# KiCad board eeg_hardware_v1.kicad_pcb (continued)
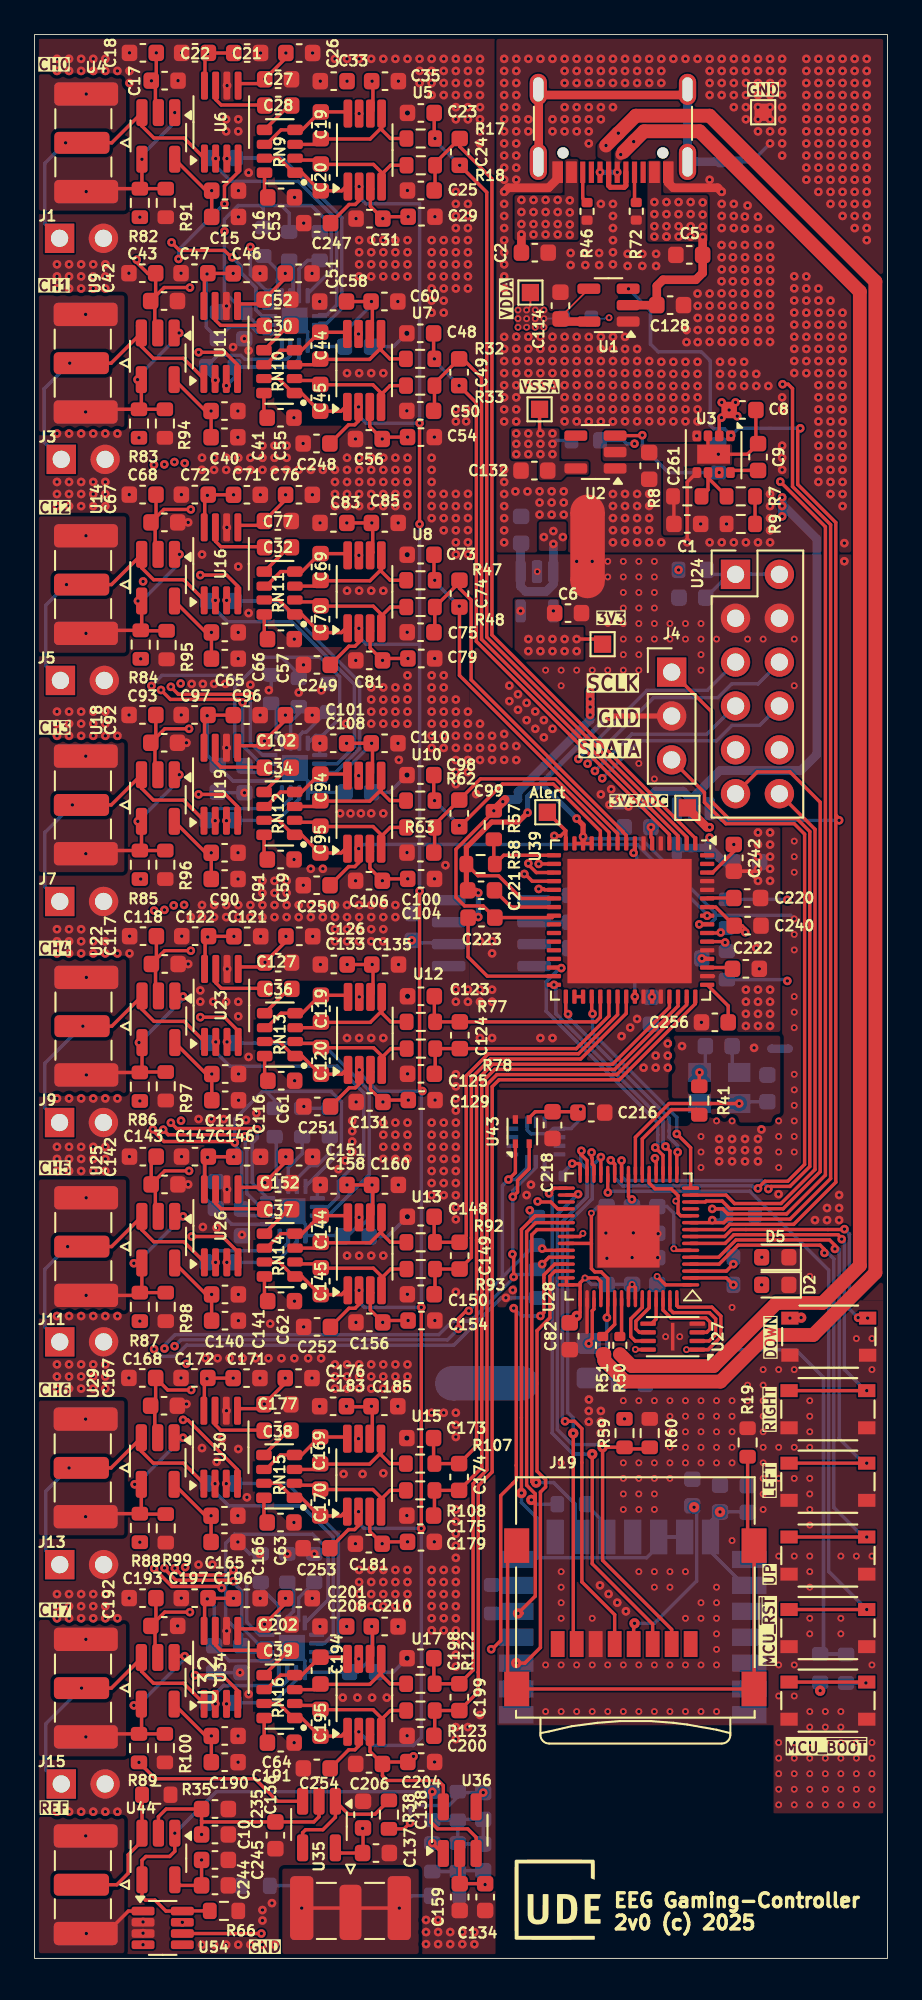
[diagram p0: board, top side]
## Routing (per net, layer and track width the routed paths; a pad name or vN(x,y) marks a point on that pad's centre or on a via; arc(x,y) is an arc through that point) (continued)
+3V3: length 284.9
  Top w0.2: U28.38 31.58,41.8 v2(31.76,41.98) ; v1(6.92,22.58) 6.92,22.57 7.96,21.54 10.75,21.54 v1(10.84,21.45) ; v2(34.8,35.26) 34.81,35.25 35.73,35.25 ; U28.44 U28.45 31.6,39 ; U39.24 29.97,60.27 C223.2 25.98,60.94 24.91,60.94 24.41,61.44 24.41,64.22 26.6,66.41 v2(26.6,66.45) 26.89,66.45 ; U28.20 35.6,44.9 35.94,44.56 36.88,44.56 37.27,44.17 37.27,43.84 ; J19.4 34.7,19.35 v4(34.75,19.4) ; U28.54 34.8,38.84 v2(34.61,39.03) 34.4,38.82 U28.53 ; 31.6,39 31.6,39.12 v2(31.88,39.4) 32.59,39.4 32.8,39.19 U28.49 ; 31.6,39 U28.46 31.6,37.4 v4(31.4,37.2) C82.2 ; 37.27,43.84 37.27,43.16 37.43,43 U28.11 ; 37.27,43.84 37.15,43.84 v2(37.14,43.85) ; U43.3 28.65,48.68 29,49.03 C218.1 31.42,49.03 C216.1 ; TP3.1 32.61,76.39 v1(31.4,76.39) ; v1(11.6,47.24) 11.54,47.3 7.5,47.3 6.85,47.95 v1(6.85,48.01) ; U28.1 36.55,39 v2(36.06,39.49) ; U28.30 31.6,45.95 31.53,46.02 v1(31.14,46.02)
  Top w0.5: 27.26,67.11 v1(27.12,66.98) v2(26.6,66.45) ; v2(32.18,72) v2(32.18,73.37)
  In1.Cu w0.2: v1(6.92,35.28) 7.1,35.45 7.1,47.7 7,47.8 7,47.8 6.85,47.95 v1(6.85,48.01) ; v1(11,100) 7.94,100 7.02,99.09 7.02,86.59 v1(6.92,86.48) ; v1(6.92,60.68) 7.03,60.78 7.03,72.39 6.8,72.63 6.8,73.65 v1(6.77,73.68)
  In2.Cu w0.2: v1(6.92,86.48) 6.9,86.46 ; v1(6.92,86.48) 6.92,85.96 7.04,85.83 7.04,73.8 6.89,73.65 6.8,73.65 v1(6.77,73.68) ; v1(6.92,86.48) 7,86.4 ; v1(6.92,35.28) 7.1,35.1 7.1,22.75 v1(6.92,22.58) ; v1(6.92,60.68) 7.1,60.5 7.1,48.27 6.85,48.02 v1(6.85,48.01)
  Bottom w0.2: 13.1,101.5 11.8,101.5 11,100.7 v1(11,100) 11,96.49 12.8,94.69 13.63,94.69 ; 13.1,101.5 13.25,101.35 R10.1 ; 13.1,101.5 14.3,101.5 ; 15.3,74.12 15.3,74.35 14.3,75.35 ; U21.14 39.15,25.3 v4(39.7,25.85) 41.28,25.85 C12.1 ; U21.14 39.18,24.37 ; U21.14 39.15,23.55 41.1,21.6 U21.16 ; R52.1 30.61,45.49 v1(31.14,46.02) ; 13.47,17.73 12.36,17.73 11.98,18.11 11.98,18.75 11.07,19.66 11.07,21.6 ; 11.07,21.6 11.07,24.04 11.59,24.56 16.11,24.56 17,23.67 17,20.77 15.66,19.42 ; 11.07,21.6 10.92,21.45 v1(10.84,21.45) ; C105.2 36.06,39.04 v2(36.06,39.49) ; U42.10 12.53,68.68 11.6,69.61 11.6,73.6 11.85,73.85 ; v1(31.62,49.18) 31.62,48.6 31.08,48.05 U37.8 30.04,48.05 29.74,47.75 28.75,47.75 28.54,47.96 U37.5 ; U42.16 16.28,70.81 16.68,70.81 17.68,71.8 17.68,74.2 16.52,75.35 14.3,75.35 ; U41.10 12.39,43.01 C231.1 12,43.41 12,46.68 11.6,47.08 11.6,48.6 13.2,50.2 13.4,50.2 ; 14.3,101.5 16.03,101.5 17.19,100.35 17.19,97.74 15.82,96.37 ; 14.3,101.5 14.75,101.05 R21.1 ; v4(45.5,15.5) R40.2 ; 11.85,73.85 13.35,75.35 14.3,75.35 ; 11.85,73.85 11.4,74.3 7.39,74.3 v1(6.77,73.68) ; v2(34.61,39.03) C88.2 32.25,39.03 v2(31.88,39.4) ; 29.12,43.04 29.1,43.02 R74.2 29.05,42.95 v1(28.68,43.32) ; 13.4,50.2 17.17,50.2 17.78,49.6 17.78,46.78 U41.16 ; 13.4,50.2 13.9,49.7 R29.1 ; v4(38.2,26.12) 38.35,25.97 38.35,21.85 35.9,19.4 v4(34.75,19.4) ; v1(43.6,56.6) 43.53,56.68 40.1,56.68 40.16,56.68 ; R16.1 43.58,61.33 v1(43.6,61.3) ; 29.3,38.25 28.59,38.25 28.59,38.25 v1(27.3,38.25) 27.03,38.25 24.29,35.51 8.81,35.51 8.16,34.86 7.34,34.86 7.08,35.13
  Bottom w0.5: v2(32.18,73.37) v2(32.18,72.92) v2(32.18,72.46) v2(32.18,72) 32.18,71.72 28,67.54 28,67.11 27.26,67.11 v2(26.6,66.45)
  vias: v1(27.7,38.7) v1(28.15,78.03) v1(28.6,76.39) v1(28.6,75.69) v1(29.3,76.39) v1(29.3,75.69) v1(30.05,78.03) v1(30,76.39) v1(30,75.69) v1(30.7,76.39) v1(30.7,75.69) v1(31.4,75.69) v1(37.3,80.4) v4(34.17,31.24)
/MCU/GND_QRZ: length 2.7
  Bottom w0.2: Y1.4 40.4,51.71 C111.2 ; Y1.4 40.31,51.3 ; Y1.4 41.17,50.94
  vias: v1(37.5,52.83) v1(41.67,52.73)
/Power/VSS_UNBUF: length 8.2
  Top w0.2: U3.3 39,87.42 U3.9 v1(39.61,87.1) 41.29,87.1 C9.2 41.78,87.84 C8.2 ; R8.2 37.03,84.61 C1.2 37.02,83.05
  Bottom w0.2: v1(39.61,87.1) 39.61,87.69
GND: length 14.3
  Top w0.2: v1(37.8,82) 37.8,85.48 U3.5
  Top w0.5: J6.A1 36.7,102.82 36.99,102.53 39.56,102.53 v1(39.8,102.29) ; J6.A12 30.3,103.06 29.77,102.53 27.44,102.53 v1(27.2,102.29)
  Bottom w0.2: v1(42.6,105.09) 41.53,104.03 R49.2
  vias: v1(27.2,109.99) v1(27.2,109.29) v1(27.2,108.59) v1(27.2,107.89) v1(27.2,107.19) v1(27.2,106.49) v1(27.2,105.79) v1(27.2,105.09) v1(27.2,104.39) v1(27.2,103.69) v1(27.2,102.99) v1(27.2,101.59) v1(27.2,100.89) v1(27.2,100.19) v1(27.2,99.49) v1(27.2,98.79) v1(27.2,98.09) v1(27.2,97.39) v1(27.2,96.69) v1(27.2,93.89) v1(27.2,93.19) v1(27.2,92.49) v1(27.2,91.79) v1(27.2,91.09) v1(27.2,90.39) v1(27.2,89.69) v1(27.2,88.99) v1(27.2,86.2) v1(27.2,85.49) v1(27.2,84.79) v1(27.2,84.09) v1(27.2,83.39) v1(27.2,82.69) v1(27.2,81.99) v1(27.85,84.94) v1(27.9,109.99) v1(27.9,109.29) v1(27.9,108.59) v1(27.9,107.89) v1(27.9,107.19) v1(27.9,106.49) v1(27.9,105.79) v1(27.9,105.09) v1(27.9,104.39) v1(27.9,103.69) v1(27.9,102.99) v1(27.9,93.9) v1(27.9,93.2) v1(27.9,92.49) v1(27.9,91.79) v1(27.9,91.09) v1(27.9,90.39) v1(27.9,89.69) v1(27.9,88.99) v1(28.55,84.94) v1(28.6,109.99) v1(28.6,106.49) v1(28.6,105.79) v1(28.6,93.9) v1(28.6,93.2) v1(28.6,92.49) v1(28.6,91.79) v1(28.6,91.09) v1(29.25,84.95) v1(29.25,84.3) v1(29.25,83.6) v1(29.3,109.99) v1(29.3,93.9) v1(29.3,93.2) v1(29.3,92.49) v1(29.3,91.79) v1(29.3,91.09) v1(30,109.99) v1(30,106.49) v1(30,105.79) v1(30,93.9) v1(30,93.2) v1(30,92.49) v1(30,91.79) v1(30,91.09) v1(29.95,84.95) v1(29.95,84.3) v1(29.95,83.6) v1(30.7,109.99) v1(30.7,109.29) v1(30.7,108.59) v1(30.7,107.19) v1(30.7,106.49) v1(30.7,105.79) v1(30.7,93.9) v1(30.7,93.2) v1(30.7,92.49) v1(30.7,91.79) v1(30.7,91.09) v1(30.7,90.4) v1(30.7,89.7) v1(30.7,89) v1(30.65,84.95) v1(30.65,84.3) v1(30.65,83.6) v1(31.05,98.75) v1(31.05,98.05) v1(31.4,109.99) v1(31.4,109.29) v1(31.4,108.59) v1(31.4,107.19) v1(31.4,106.49) v1(31.4,105.79) v1(31.4,93.89) v1(31.4,93.19) v1(31.4,92.49) v1(31.4,91.79) v1(31.4,91.09) v1(31.4,90.4) v1(31.4,89.7) v1(31.4,89) v1(31.9,98.75) v1(31.9,98.05) v1(32.1,109.99) v1(32.1,109.29) v1(32.1,108.59) v1(32.1,107.19) v1(32.1,106.49) v1(32.1,105.79) v1(32.1,105.09) v1(32.1,93.89) v1(32.1,93.19) v1(32.1,92.49) v1(32.1,91.79) v1(32.1,91.09) v1(32.1,90.39) v1(32.1,89.69) v1(32.1,88.99) v1(32.7,98.75) v1(32.7,98.05) v1(32.8,109.99) v1(32.8,109.29) v1(32.8,108.59) v1(32.8,107.19) v1(32.8,106.49) v1(32.8,101.59) v1(32.8,93.89) v1(32.8,93.19) v1(32.8,92.49) v1(32.8,91.79) v1(32.8,91.09) v1(32.8,90.39) v1(32.8,89.69) v1(32.8,88.99) v1(33.5,109.99) v1(33.5,109.29) v1(33.5,108.59) v1(33.5,107.19) v1(33.5,101.59) v1(33.5,100.89) v1(33.5,100.19) v1(33.5,99.49) v1(33.5,98.79) v1(33.5,98.09) v1(33.5,93.89) v1(33.5,93.19) v1(33.5,92.49) v1(33.5,91.79) v1(33.5,91.09) v1(33.5,90.39) v1(33.5,89.69) v1(33.5,88.99) v1(33.5,84.79) v1(33.5,84.1) v1(33.5,83.4) v1(33.5,82.7) v1(33.5,81.99) v1(34.2,109.99) v1(34.2,109.29) v1(34.2,108.59) v1(34.2,93.89) v1(34.2,93.19) v1(34.2,92.49) v1(34.2,91.79) v1(34.2,91.09) v1(34.2,90.39) v1(34.2,89.69) v1(34.2,89) v1(34.2,84.8) v1(34.2,84.1) v1(34.2,83.4) v1(34.2,82.7) v1(34.2,81.99) v1(34.35,98.7) v1(34.35,98) v1(34.9,109.99) v1(34.9,109.29) v1(34.9,108.59) v1(34.9,93.19) v1(34.9,92.49) v1(34.9,91.79) v1(34.9,91.09) v1(34.9,90.39) v1(34.9,89.69) v1(34.9,89) v1(34.9,84.8) v1(34.9,84.1) v1(34.9,83.4) v1(34.9,82.7) v1(34.9,81.99) v1(35.2,98.7) v1(35.2,98) v1(35.6,109.99) v1(35.6,109.29) v1(35.6,108.59) v1(35.6,92.49) v1(35.6,91.79) v1(35.6,91.09) v1(35.6,90.39) v1(35.6,89.69) v1(35.6,89) v1(35.6,84.8) v1(35.6,84.1) v1(35.6,83.4) v1(35.6,82.7) v1(35.6,81.99) v1(36,98.7) v1(36,98) v1(36.3,109.99) v1(36.3,109.29) v1(36.3,108.59) v1(36.3,92.45) v1(36.3,91.75) v1(36.3,91.05) v1(36.3,90.39) v1(36.3,89.69) v1(36.3,89) v1(36.3,81.99) v1(37,109.99) v1(37,92.45) v1(37,91.75) v1(37,91.05) v1(37,90.39) v1(37,89.69) v1(37,89) v1(37.7,109.99) v1(37.7,92.45) v1(37.7,91.75) v1(37.7,91.05) v1(37.7,90.39) v1(37.7,89.69) v1(37.7,89) v1(37.76,94.29) v1(37.76,93.59) v1(38.4,109.99) v1(38.4,96.4) v1(38.41,95.69) v1(38.41,94.99) v1(38.41,94.29) v1(38.41,93.59) v1(38.4,92.45) v1(38.4,91.75) v1(38.4,91.05) v1(38.4,90.39) v1(38.4,89.69) v1(38.4,89) v1(38.36,88.16) v1(38.58,83.06) v1(39.1,109.99) v1(39.1,109.29) v1(39.1,108.59) v1(39.1,107.89) v1(39.1,102.99) v1(39.1,96.4) v1(39.1,95.7) v1(39.1,95) v1(39.1,94.3) v1(39.1,93.6) v1(39.1,81.99) v1(39.7,92.45) v1(39.7,91.75) v1(39.7,91.05) v1(39.8,109.99) v1(39.8,109.29) v1(39.8,108.59) v1(39.8,107.89) v1(39.8,101.59) v1(39.8,100.89) v1(39.8,100.19) v1(39.79,99.21) v1(39.8,98.5) v1(39.8,97.8) v1(39.79,97.11) v1(39.79,96.41) v1(39.8,95.7) v1(39.8,95) v1(39.8,94.3) v1(39.8,93.6) v1(39.8,81.99) v1(40.08,83.06) v1(40.44,99.21) v1(40.44,97.11) v1(40.44,96.41) v1(40.4,92.45) v1(40.4,91.75) v1(40.4,91.05) v1(40.5,109.99) v1(40.5,109.29) v1(40.5,108.59) v1(40.5,107.89) v1(40.5,107.19) v1(40.5,101.59) v1(40.5,100.89) v1(40.5,100.19) v1(40.45,98.5) v1(40.45,97.8) v1(40.45,95.7) v1(40.45,95) v1(40.45,94.3) v1(40.45,93.6) v1(40.5,81.99) v1(41.14,100.86) v1(41.14,100.16) v1(41.14,99.21) v1(41.14,97.11) v1(41.14,96.41) v1(41.14,95.71) v1(41.14,95.01) v1(41.14,94.31) v1(41.14,93.61) v1(41.1,92.45) v1(41.1,91.75) v1(41.1,91.05) v1(41.2,109.99) v1(41.2,109.29) v1(41.2,108.59) v1(41.2,107.89) v1(41.2,107.19) v1(41.2,106.49) v1(41.15,98.5) v1(41.15,97.8) v1(41.2,81.99) v1(41.3,101.5) v1(41.8,91.75) v1(41.8,91.05) v1(41.9,109.99) v1(41.9,109.29) v1(41.9,108.59) v1(41.9,107.89) v1(41.9,107.19) v1(41.9,106.49) v1(41.9,105.79) v1(41.9,100.85) v1(41.9,100.15) v1(41.9,99.2) v1(41.91,98.49) v1(41.91,97.79) v1(41.9,97.1) v1(41.9,96.4) v1(41.9,95.7) v1(41.9,95) v1(41.9,94.3) v1(41.9,93.6) v1(41.9,81.99) v1(42.5,91.05) v1(42.6,109.99) v1(42.6,109.29) v1(42.6,108.59) v1(42.6,107.89) v1(42.6,107.19) v1(42.6,106.49) v1(42.6,105.79) v1(42.6,100.15) v1(42.6,99.2) v1(42.61,98.49) v1(42.61,97.79) v1(42.6,97.1) v1(42.6,96.4) v1(42.6,95.7) v1(42.6,95) v1(42.6,94.3) v1(42.6,93.6) v1(42.6,84.79) v1(42.6,84.09) v1(42.6,83.39) v1(42.6,82.69) v1(42.6,81.99) v1(43.3,109.99) v1(43.3,109.29) v1(43.3,108.59) v1(43.3,107.89) v1(43.3,107.19) v1(43.3,106.49) v1(43.3,105.79) v1(43.3,105.09) v1(43.3,104.39) v1(43.3,90.39) v1(43.3,89.69) v1(43.3,87.59) v1(43.3,86.89) v1(43.3,86.19) v1(44,97.4) v1(44,96.7) v1(44,96) v1(44,95.3) v1(44,94.6) v1(44,93.9) v1(44,93.2) v1(44,92.5) v1(44,91.8) v1(44.7,109.99) v1(44.7,109.29) v1(44.7,108.59) v1(44.7,107.89) v1(44.7,107.19) v1(44.7,106.49) v1(44.7,105.79) v1(44.7,105.09) v1(44.7,104.39) v1(44.7,103.69) v1(44.7,102.99) v1(44.7,97.39) v1(44.7,96.69) v1(44.7,95.99) v1(44.7,95.29) v1(44.7,94.59) v1(44.7,93.89) v1(44.7,93.19) v1(44.7,92.49) v1(44.7,91.79) v1(45.4,109.99) v1(45.4,109.29) v1(45.4,108.59) v1(45.4,107.89) v1(45.4,107.19) v1(45.4,106.49) v1(45.4,105.79) v1(45.4,105.09) v1(45.4,104.39) v1(45.4,103.69) v1(45.4,102.99) v1(45.4,102.29) v1(45.4,96.69) v1(45.4,95.99) v1(45.4,95.29) v1(45.4,94.59) v1(45.4,93.89) v1(45.4,93.19) v1(45.4,92.49) v1(45.4,91.79) v1(45.4,91.09) v1(45.4,90.39) v1(45.4,89.69) v1(45.4,88.99) v1(45.4,88.29) v1(45.4,87.59) v1(45.4,86.89) v1(45.4,86.19) v1(45.4,85.49) v1(46.1,109.99) v1(46.1,109.29) v1(46.1,108.59) v1(46.1,107.89) v1(46.1,107.19) v1(46.1,106.49) v1(46.1,105.79) v1(46.1,105.09) v1(46.1,104.39) v1(46.1,103.69) v1(46.1,102.99) v1(46.1,102.29) v1(46.1,101.59) v1(46.1,95.99) v1(46.1,95.29) v1(46.1,94.59) v1(46.1,93.89) v1(46.1,93.19) v1(46.1,92.49) v1(46.1,91.79) v1(46.1,91.09) v1(46.1,90.39) v1(46.1,89.69) v1(46.1,88.99) v1(46.1,88.29) v1(46.1,87.59) v1(46.1,86.89) v1(46.1,86.19) v1(46.1,85.49) v1(46.1,84.79) v1(46.8,109.99) v1(46.8,109.29) v1(46.8,108.59) v1(46.8,107.89) v1(46.8,107.19) v1(46.8,106.49) v1(46.8,105.79) v1(46.8,105.09) v1(46.8,104.39) v1(46.8,103.69) v1(46.8,102.99) v1(46.8,102.29) v1(46.8,101.59) v1(46.8,100.89) v1(46.8,95.29) v1(46.8,94.59) v1(46.8,93.89) v1(46.8,93.19) v1(46.8,92.49) v1(46.8,91.79) v1(46.8,91.09) v1(46.8,90.39) v1(46.8,89.69) v1(46.8,88.99) v1(46.8,88.29) v1(46.8,87.59) v1(46.8,86.89) v1(46.8,86.19) v1(46.8,85.49) v1(46.8,84.79) v1(46.8,84.09) v1(46.9,81.95) v1(47.5,109.99) v1(47.5,109.29) v1(47.5,108.59) v1(47.5,107.89) v1(47.5,107.19) v1(47.5,106.49) v1(47.5,105.79) v1(47.5,105.09) v1(47.5,104.39) v1(47.5,103.69) v1(47.5,102.99) v1(47.5,102.29) v1(47.5,101.59) v1(47.5,100.89) v1(47.5,100.19) v1(48.2,109.99) v1(48.2,109.29) v1(48.2,108.59) v1(48.2,107.89) v1(48.2,107.19) v1(48.2,106.49) v1(48.2,105.79) v1(48.2,105.09) v1(48.2,104.39) v1(48.2,103.69) v1(48.2,102.99) v1(48.2,102.29) v1(48.2,101.59) v1(48.2,100.89) v1(48.2,100.19) v1(48.2,99.49)
GNDA: length 29.6
  Top w0.2: 15.56,23.75 15.88,23.43 v1(16.2,23.43) ; C167.2 8.38,32.1 v1(8.8,32.1) ; v1(41.9,63.09) 41.76,62.95 C242.1 41.34,62.95 v1(41.9,62.39) ; v1(8.9,83.15) C67.2 ; v1(8.8,70.39) 8.28,70.39 ; v1(8.9,57.58) C117.2 ; v1(8.9,44.82) C142.2 ; U39.50 39.33,56.88
  Bottom w0.2: v3(21.56,94.1) 20.79,93.33 C229.1 ; 12.2,67.46 v1(12.16,67.5) 10.63,67.5 C233.2 ; v3(21.58,17.38) 20.77,16.58 C215.1 ; v1(16.61,73.43) 17,73.81 R28.1 ; C231.2 v1(12.01,41.9) 12.01,42.19 ; 12.25,16.29 C227.2 11.98,16.55 v1(11.9,16.55) C226.2 ; v1(16.53,70.36) 16.52,70.35 U42.1 ; C230.2 10.7,44.98 v1(11.15,44.53) ; U41.1 16.38,44.62 v1(16.55,44.79) ; 13.12,20.83 13.12,20.81 ; C228.1 20.45,41.8 v3(21.59,42.95) ; 15.55,11.15 15.57,11.12 ; U38.1 16.5,95.93 v1(16.52,95.94) 16.52,95.7 16.5,95.69 ; v1(13.57,73.44) 13.7,73.56 13.7,74.33 ; v1(11.78,24.11) 12.46,23.43 v1(13.05,23.43) R11.1 ; v3(21.57,68.52) 20.57,67.52 C232.1 ; R34.1 R30.1 ; 16.34,18.73 16.34,19.03 v1(16.53,19.22) ; 10.62,95.34 10.77,95.34 v1(11.12,95.68)
  vias: v1(1.3,109.99) v1(1.3,109.29) v1(1.3,98.09) v1(1.3,97.39) v1(1.3,96.69) v1(1.3,88.29) v1(1.3,85.49) v1(1.3,84.79) v1(1.3,84.09) v1(1.3,72.19) v1(1.3,71.49) v1(1.3,70.79) v1(1.3,59.59) v1(1.3,58.89) v1(1.3,58.19) v1(1.3,49.79) v1(1.3,46.99) v1(1.3,46.29) v1(1.3,45.59) v1(1.3,37.19) v1(1.3,34.39) v1(1.3,33.69) v1(1.3,32.99) v1(1.3,21.09) v1(1.3,20.39) v1(1.3,19.69) v1(1.3,8.49) v1(2,109.99) v1(2,109.29) v1(2,98.09) v1(2,97.39) v1(2,96.69) v1(2,88.29) v1(2,85.49) v1(2,84.79) v1(2,84.09) v1(2,72.19) v1(2,71.49) v1(2,70.79) v1(2,59.59) v1(2,58.89) v1(2,58.19) v1(2,49.79) v1(2,46.99) v1(2,46.29) v1(2,45.59) v1(2,37.19) v1(2,34.39) v1(2,33.69) v1(2,32.99) v1(2,21.09) v1(2,20.39) v1(2,19.69) v1(2,8.49) v1(2.7,109.99) v1(2.7,109.29) v1(2.7,98.09) v1(2.7,97.39) v1(2.7,96.69) v1(2.7,88.29) v1(2.7,85.49) v1(2.7,84.79) v1(2.7,84.09) v1(2.7,72.19) v1(2.7,71.49) v1(2.7,70.79) v1(2.7,59.59) v1(2.7,58.89) v1(2.7,58.19) v1(2.7,49.79) v1(2.7,46.99) v1(2.7,46.29) v1(2.7,45.59) v1(2.7,37.19) v1(2.7,34.39) v1(2.7,33.69) v1(2.7,32.99) v1(2.7,21.09) v1(2.7,20.39) v1(2.7,19.69) v1(2.7,8.49) v1(3.4,109.99) v1(3.4,109.29) v1(3.4,98.09) v1(3.4,97.39) v1(3.4,96.69) v1(3.4,88.29) v1(3.4,85.49) v1(3.4,84.79) v1(3.4,84.09) v1(3.4,72.19) v1(3.4,71.49) v1(3.4,70.79) v1(3.4,58.89) v1(3.4,58.19) v1(3.4,49.79) v1(3.4,46.99) v1(3.4,46.29) v1(3.4,45.59) v1(3.4,37.19) v1(3.4,34.39) v1(3.4,33.69) v1(3.4,32.99) v1(3.4,21.09) v1(3.4,20.39) v1(3.4,19.69) v1(3.4,8.49) v1(4.1,109.99) v1(4.1,109.29) v1(4.1,98.09) v1(4.1,97.39) v1(4.1,96.69) v1(4.1,88.29) v1(4.1,85.49) v1(4.1,84.79) v1(4.1,84.09) v1(4.1,72.19) v1(4.1,71.49) v1(4.1,70.79) v1(4.1,58.89) v1(4.1,58.19) v1(4.1,49.79) v1(4.1,46.99) v1(4.1,46.29) v1(4.1,45.59) v1(4.1,37.19) v1(4.1,34.39) v1(4.1,33.69) v1(4.1,32.99) v1(4.1,21.09) v1(4.1,20.39) v1(4.1,19.69) v1(4.1,8.49) v1(4.8,109.29) v1(4.8,88.29) v1(4.8,70.79) v1(4.8,58.19) v1(4.8,49.79) v1(4.8,37.19) v1(4.8,19.69) v1(4.8,8.49) v1(5.5,110.34) v1(5.5,109.29) v1(5.5,108.59) v1(5.47,97.58) v1(5.49,84.76) v1(5.48,72) v1(5.51,59.19) v1(5.5,58.19) v1(5.5,46.43) v1(5.47,33.61) v1(5.48,20.86) v1(6.28,2.11) v1(6.28,1.46) v1(8.31,108.73) v1(8.29,19.25) v1(8.52,110.34) v1(8.49,97.58) v1(8.51,84.76) v1(8.5,72) v1(8.53,59.19) v1(8.52,46.43) v1(8.48,33.61) v1(8.5,20.86) v1(9.05,60.3) v1(9.1,73.8) v1(9.5,48.6) v1(9.5,22.8) v1(9.6,56.05) v1(9.6,55.4) v1(9.7,86.89) v1(9.7,86.19) v1(9.7,81.29) v1(9.7,60.99) v1(9.7,60.29) v1(9.7,29.55) v1(9.7,0.79) v1(9.75,73.8) v1(9.75,42.35) v1(9.9,34.75) v1(10.25,48.6) v1(10.35,55.4) v1(10.3,22.8) v1(10.4,86.89) v1(10.4,86.19) v1(10.4,73.8) v1(10.4,60.99) v1(10.4,60.29) v1(10.4,0.79) v1(10.55,42.3) v1(10.55,28.75) v1(10.6,34.75) v1(10.85,30.1) v1(11.05,73.8) v1(10.95,48.6) v1(11.1,106.49) v1(11.1,105.79) v1(11.1,86.89) v1(11.1,86.19) v1(11.14,82.86) v1(11.12,70.1) v1(11.1,60.99) v1(11.1,60.29) v1(11.1,55.39) v1(11.11,31.71) v1(11.13,18.96) v1(11.1,0.79) v1(11.15,108.44) v1(11.16,57.29) v1(11.3,34.75) v1(11.5,93.3) v1(11.8,106.49) v1(11.8,105.79) v1(11.81,102.36) v1(11.81,100.84) v1(11.78,89.6) v1(11.78,88.08) v1(11.8,86.89) v1(11.8,86.19) v1(11.8,80.59) v1(11.8,76.78) v1(11.8,75.26) v1(11.78,64.02) v1(11.78,62.5) v1(11.8,60.99) v1(11.8,60.29) v1(11.8,55.39) v1(11.8,54.55) v1(11.82,51.21) v1(11.82,49.69) v1(11.81,38.45) v1(11.81,36.93) v1(11.8,29.49) v1(11.78,25.63) v1(11.79,12.88) v1(11.79,11.36) v1(11.8,0.79) v1(12.05,34.75) v1(12.15,93.78) v1(12.25,48.55) v1(12.3,26.7) v1(12.4,103.4) v1(12.4,93.1) v1(12.4,77.9) v1(12.4,52.2) v1(12.4,15.3) v1(12.5,86.89) v1(12.5,86.19) v1(12.5,73.75) v1(12.5,60.99) v1(12.5,60.29) v1(12.5,0.79) v1(12.85,48.95) v1(12.8,34.75) v1(13.09,110.33) v1(13.06,97.57) v1(13.08,84.75) v1(13.06,71.99) v1(13.1,59.18) v1(13.09,46.42) v1(13.06,33.6) v1(13.07,20.85) v1(13.2,87.59) v1(13.2,86.89) v1(13.2,86.19) v1(13.2,62.39) v1(13.2,61.69) v1(13.2,60.99) v1(13.2,60.29) v1(13.2,2.8) v1(13.2,2.19) v1(13.2,0.79) v1(13.55,34.75) v1(13.65,36.75) v1(13.75,3.2) v1(13.9,87.59) v1(13.9,86.89) v1(13.9,86.19) v1(13.9,62.39) v1(13.9,61.69) v1(13.9,60.99) v1(13.9,60.29) v1(13.9,0.79) v1(14.3,34.75) v1(14.6,87.59) v1(14.6,86.89) v1(14.6,86.19) v1(14.6,62.39) v1(14.6,61.69) v1(14.6,60.99) v1(14.6,60.29) v1(14.64,23.43) v1(15.02,89.21) v1(15.04,76.39) v1(15.03,63.63) v1(15.05,34.75) v1(15.02,25.24) v1(15.04,12.49) v1(15.06,101.97) v1(15.06,50.82) v1(15.05,38.06) v1(15.3,86.19) v1(15.3,73.3) v1(15.3,60.99) v1(15.3,60.29) v1(15.59,100.48) v1(15.56,87.72) v1(15.58,74.9) v1(15.56,62.14) v1(15.6,49.33) v1(15.59,36.57) v1(15.85,34.75) v1(16,86.19) v1(16,63.09) v1(16,60.99) v1(16,60.29) v1(16.11,110.33) v1(16.07,97.57) v1(16.09,84.75) v1(16.08,71.99) v1(16.11,59.18) v1(16.1,46.42) v1(16.07,33.6) v1(16.08,20.85) v1(16.55,108.7) v1(16.54,83.12) v1(16.52,31.97) v1(16.56,57.55) v1(16.6,34.75) v1(16.7,86.19) v1(16.7,63.09) v1(16.7,60.99) v1(16.7,60.29) v1(17.4,109.99) v1(17.4,86.19) v1(17.4,85.49) v1(17.4,84.79) v1(17.4,84.09) v1(17.4,60.99) v1(17.4,60.29) v1(17.4,59.59) v1(17.4,58.89) v1(17.4,34.39) v1(17.4,33.69) v1(17.4,32.99) v1(17.6,45.7) v1(17.7,66.3) v1(17.85,15.1) v1(17.9,28.05) v1(18.05,71.5) v1(18,46.2) v1(18.1,109.99) v1(18.1,91.79) v1(18.1,86.89) v1(18.1,86.19) v1(18.1,85.49) v1(18.1,84.79) v1(18.1,84.09) v1(18.1,79.19) v1(18.1,60.99) v1(18.1,60.29) v1(18.1,59.59) v1(18.1,58.89) v1(18.1,53.29) v1(18.1,40.69) v1(18.1,34.39) v1(18.1,33.69) v1(18.1,32.99) v1(18.3,66.3) v1(18.4,48.5) v1(18.4,47.9) v1(18.4,47.3) v1(18.4,46.7) v1(18.62,100.74) v1(18.59,87.98) v1(18.61,75.16) v1(18.59,62.4) v1(18.63,49.59) v1(18.62,36.83) v1(18.58,24.01) v1(18.7,15.1) v1(18.8,109.99) v1(18.8,99.49) v1(18.8,98.79) v1(18.8,98.09) v1(18.8,97.39) v1(18.8,91.79) v1(18.8,86.89) v1(18.8,86.19) v1(18.8,85.49) v1(18.8,84.79) v1(18.8,84.09) v1(18.8,79.19) v1(18.8,60.99) v1(18.8,60.29) v1(18.8,59.59) v1(18.8,58.89) v1(18.8,53.29) v1(18.8,40.69) v1(18.8,34.39) v1(18.8,33.69) v1(18.8,32.99) v1(18.8,22.49) v1(18.8,21.79) v1(18.8,21.09) v1(18.8,20.39) v1(18.9,66.3) v1(19,28.05) v1(19.5,109.99) v1(19.5,99.49) v1(19.5,98.79) v1(19.5,98.09) v1(19.5,97.39) v1(19.5,91.79) v1(19.5,86.89) v1(19.5,86.19) v1(19.5,85.49) v1(19.5,84.79) v1(19.5,84.09) v1(19.5,79.19) v1(19.5,73.59) v1(19.5,72.89) v1(19.5,72.19) v1(19.5,71.49) v1(19.5,66.3) v1(19.5,60.99) v1(19.5,60.29) v1(19.5,59.59) v1(19.5,58.89) v1(19.5,53.29) v1(19.5,40.69) v1(19.5,34.39) v1(19.5,33.69) v1(19.5,32.99) v1(19.5,22.49) v1(19.5,21.79) v1(19.5,21.09) v1(19.5,20.39) v1(19.55,15.1) v1(20.2,109.99) v1(20.2,99.49) v1(20.2,98.79) v1(20.2,98.09) v1(20.2,97.39) v1(20.2,91.79) v1(20.2,86.89) v1(20.2,86.19) v1(20.2,85.49) v1(20.2,84.79) v1(20.2,84.09) v1(20.2,79.19) v1(20.2,73.59) v1(20.2,72.89) v1(20.2,72.19) v1(20.2,71.49) v1(20.2,66.3) v1(20.2,60.99) v1(20.2,60.29) v1(20.2,59.59) v1(20.2,58.89) v1(20.2,53.29) v1(20.2,48.39) v1(20.2,47.69) v1(20.2,46.99) v1(20.2,46.29) v1(20.2,40.69) v1(20.2,34.39) v1(20.2,33.69) v1(20.2,32.99) v1(20.2,28.09) v1(20.2,22.49) v1(20.2,21.79) v1(20.2,21.09) v1(20.2,20.39) v1(20.4,15.1) v1(20.9,109.99) v1(20.9,99.49) v1(20.9,98.79) v1(20.9,98.09) v1(20.9,97.39) v1(20.9,86.89) v1(20.9,86.19) v1(20.9,85.49) v1(20.9,84.79) v1(20.9,84.09) v1(20.9,73.59) v1(20.9,72.89) v1(20.9,72.19) v1(20.9,71.49) v1(20.9,60.99) v1(20.9,60.29) v1(20.9,48.39) v1(20.9,47.69) v1(20.9,46.99) v1(20.9,46.29) v1(20.9,34.39) v1(20.9,33.69) v1(20.9,32.99) v1(20.9,22.49) v1(20.9,21.79) v1(20.9,21.09) v1(20.9,20.39) v1(21.04,95.94) v1(21.05,70.36) v1(21.04,31.97) v1(21.08,108.7) v1(21.06,83.12) v1(21.1,69.4) v1(21.08,57.55) v1(21.07,44.79) v1(21.06,19.22) v1(21.6,109.99) v1(21.6,102.37) v1(21.6,99.49) v1(21.6,98.79) v1(21.6,98.09) v1(21.6,97.39) v1(21.56,89.61) v1(21.6,86.89) v1(21.6,86.19) v1(21.6,85.49) v1(21.6,84.79) v1(21.6,84.09) v1(21.58,76.79) v1(21.6,74.29) v1(21.6,73.59) v1(21.6,72.89) v1(21.6,72.19) v1(21.6,71.49) v1(21.57,64.03) v1(21.61,51.22) v1(21.6,48.39) v1(21.6,47.69) v1(21.6,46.99) v1(21.6,46.29) v1(21.59,38.46) v1(21.6,34.39) v1(21.6,33.69) v1(21.6,32.99) v1(21.56,25.64) v1(21.6,22.49) v1(21.6,21.79) v1(21.6,21.09) v1(21.6,20.39) v1(21.58,12.89) v1(22.3,109.99) v1(22.3,109.29) v1(22.3,108.59) v1(22.67,2.22) v1(22.67,1.53) v1(22.67,0.83) v1(23,109.99) v1(23,109.29) v1(23,108.59) v1(23,107.89) v1(23,99.49) v1(23,98.79) v1(23,98.09) v1(23,97.39) v1(23,96.69) v1(23,95.99) v1(23,95.29) v1(23,86.89) v1(23,86.19) v1(23,85.49) v1(23,84.79) v1(23,84.09) v1(23,83.39) v1(23,74.29) v1(23,73.59) v1(23,72.89) v1(23,72.19) v1(23,71.49) v1(23,70.79) v1(23,70.09) v1(23,48.39) v1(23,47.69) v1(23,46.99) v1(23,46.29) v1(23,45.59) v1(23,44.89) v1(23,44.19) v1(23,31.59) v1(23,22.49) v1(23,21.79) v1(23,21.09) v1(23,20.39) v1(23,19.69) v1(23,18.99) v1(23.19,100.85) v1(23.16,88.09) v1(23.18,75.27) v1(23.17,62.51) v1(23.2,49.7) v1(23.19,36.94) v1(23.16,24.12) v1(23.17,11.37) v1(23.38,2.22) v1(23.38,1.53) v1(23.38,0.83) v1(23.7,109.99) v1(23.7,109.29) v1(23.7,108.59) v1(23.7,107.89) v1(23.7,99.49) v1(23.7,98.79) v1(23.7,98.09) v1(23.7,97.39) v1(23.7,96.69) v1(23.7,95.99) v1(23.7,95.29) v1(23.7,84.8) v1(23.7,84.09) v1(23.7,83.39) v1(23.7,82.69) v1(23.7,74.29) v1(23.7,73.59) v1(23.7,72.89) v1(23.7,72.19) v1(23.7,71.49) v1(23.7,70.79) v1(23.7,70.09) v1(23.7,48.39) v1(23.7,47.69) v1(23.7,46.99) v1(23.7,46.29) v1(23.7,45.59) v1(23.7,44.89) v1(23.7,44.19) v1(23.7,31.59) v1(23.7,22.49) v1(23.7,21.79) v1(23.7,21.09) v1(23.7,20.39) v1(23.7,19.69) v1(23.7,18.99) v1(23.8,63.3) v1(24.08,1.53) v1(24.08,0.83) v1(24.4,109.99) v1(24.4,109.29) v1(24.4,108.59) v1(24.4,107.89) v1(24.4,107.19) v1(24.4,106.49) v1(24.4,102.29) v1(24.4,101.59) v1(24.4,100.89) v1(24.4,100.19) v1(24.4,99.49) v1(24.4,98.79) v1(24.4,98.09) v1(24.4,97.39) v1(24.4,96.69) v1(24.4,89.69) v1(24.4,88.99) v1(24.4,84.8) v1(24.4,84.09) v1(24.4,83.39) v1(24.4,82.69) v1(24.4,81.99) v1(24.4,81.29) v1(24.4,72.89) v1(24.4,72.19) v1(24.4,71.49) v1(24.4,70.79) v1(24.4,70.09) v1(24.4,69.39) v1(24.4,68.69) v1(24.4,67.99) v1(24.4,56.09) v1(24.4,55.39) v1(24.4,51.19) v1(24.4,50.49) v1(24.4,49.79) v1(24.4,49.09) v1(24.4,48.39) v1(24.4,47.69) v1(24.4,46.99) v1(24.4,46.29) v1(24.4,45.59) v1(24.4,44.89) v1(24.4,44.19) v1(24.4,43.49) v1(24.4,42.79) v1(24.4,38.59) v1(24.4,31.59) v1(24.4,30.89) v1(24.4,30.19) v1(24.4,25.99) v1(24.4,25.29) v1(24.4,24.59) v1(24.4,23.89) v1(24.4,23.19) v1(24.4,22.49) v1(24.4,21.79) v1(24.4,21.09) v1(24.4,20.39) v1(24.4,19.69) v1(24.4,18.99) v1(24.4,18.29) v1(24.4,17.59) v1(24.4,16.89) v1(24.4,13.39) v1(24.4,12.69) v1(24.78,1.53) v1(24.78,0.83) v1(25,89.7) v1(25,89) v1(25.1,109.99) v1(25.1,109.29) v1(25.1,108.59) v1(25.1,107.89) v1(25.1,107.19) v1(25.1,106.49) v1(25.1,101.59) v1(25.1,100.89) v1(25.1,100.19) v1(25.1,99.49) v1(25.1,98.79) v1(25.1,98.09) v1(25.1,97.39) v1(25.1,96.69) v1(25.1,84.81) v1(25.1,84.1) v1(25.1,83.4) v1(25.1,82.7) v1(25.1,82) v1(25.1,81.3) v1(25.1,72.19) v1(25.1,71.49) v1(25.1,70.79) v1(25.1,70.09) v1(25.1,69.39) v1(25.1,68.69) v1(25.1,56.09) v1(25.1,55.39) v1(25.1,13.39) v1(25.47,1.52) v1(25.47,0.82) v1(25.58,67.42) v1(25.8,109.99) v1(25.8,109.29) v1(25.8,108.59) v1(25.8,107.89) v1(25.8,107.19) v1(25.8,106.49) v1(25.8,105.79) v1(25.8,105.09) v1(25.8,71.49) v1(25.8,70.79) v1(25.8,70.09) v1(25.8,69.39) v1(25.8,58.89) v1(25.8,56.09) v1(25.8,55.39) v1(25.8,53.29) v1(25.8,14.09) v1(26.5,70.79) v1(26.5,70.09) v1(26.5,69.39) v1(26.5,58.89) v1(26.5,58.19) v1(26.5,56.09) v1(26.5,55.39) v1(26.5,53.29) v1(27.2,70.9) v1(27.2,70.2) v1(27.2,69.4) v1(27.5,73.7) v1(27.5,72.8) v1(27.9,70.2) v1(27.9,69.39) v1(28,73.2) v1(28,72.3) v1(28.5,72.7) v1(28.5,71.7) v1(29,72.2) v1(29,71.2) v1(29.3,53.29) v1(29.5,71.7) v1(29.5,70.7) v1(30,71.2) v1(30,53.29) v1(32.8,67.4) v1(33.3,66.8) v1(33.4,67.7) v1(33.9,67.2) v1(34,53.4) v1(34.4,66.7) v1(34.5,53.9) v1(34.9,54.4) v1(35.28,51.58) v1(35.97,52.28) v1(35.97,51.58) v1(36.67,52.98) v1(36.67,52.28) v1(36.67,51.58) v1(38.62,54.2) v1(41.2,56.09) v1(41.2,55.39) v1(41.2,54.69) v1(41.2,53.99) v1(41.8,58.5) v1(41.9,65.19) v1(41.9,64.49) v1(41.9,63.79) v1(41.9,56.09) v1(41.9,55.39) v1(41.9,54.69) v1(41.9,53.99) v1(41.97,57.3) v1(42.6,65.19) v1(42.6,64.49) v1(42.6,63.79) v1(42.6,63.09) v1(42.6,62.39) v1(42.6,56.09) v1(42.6,55.39) v1(42.6,54.69) v1(42.6,53.99) v3(21.6,106.86) v3(21.58,81.28) v3(21.61,55.71) v3(21.56,30.13)